# Altium PCB MIXR Input and Processing.PcbDoc (part 2 of 3) (continued)
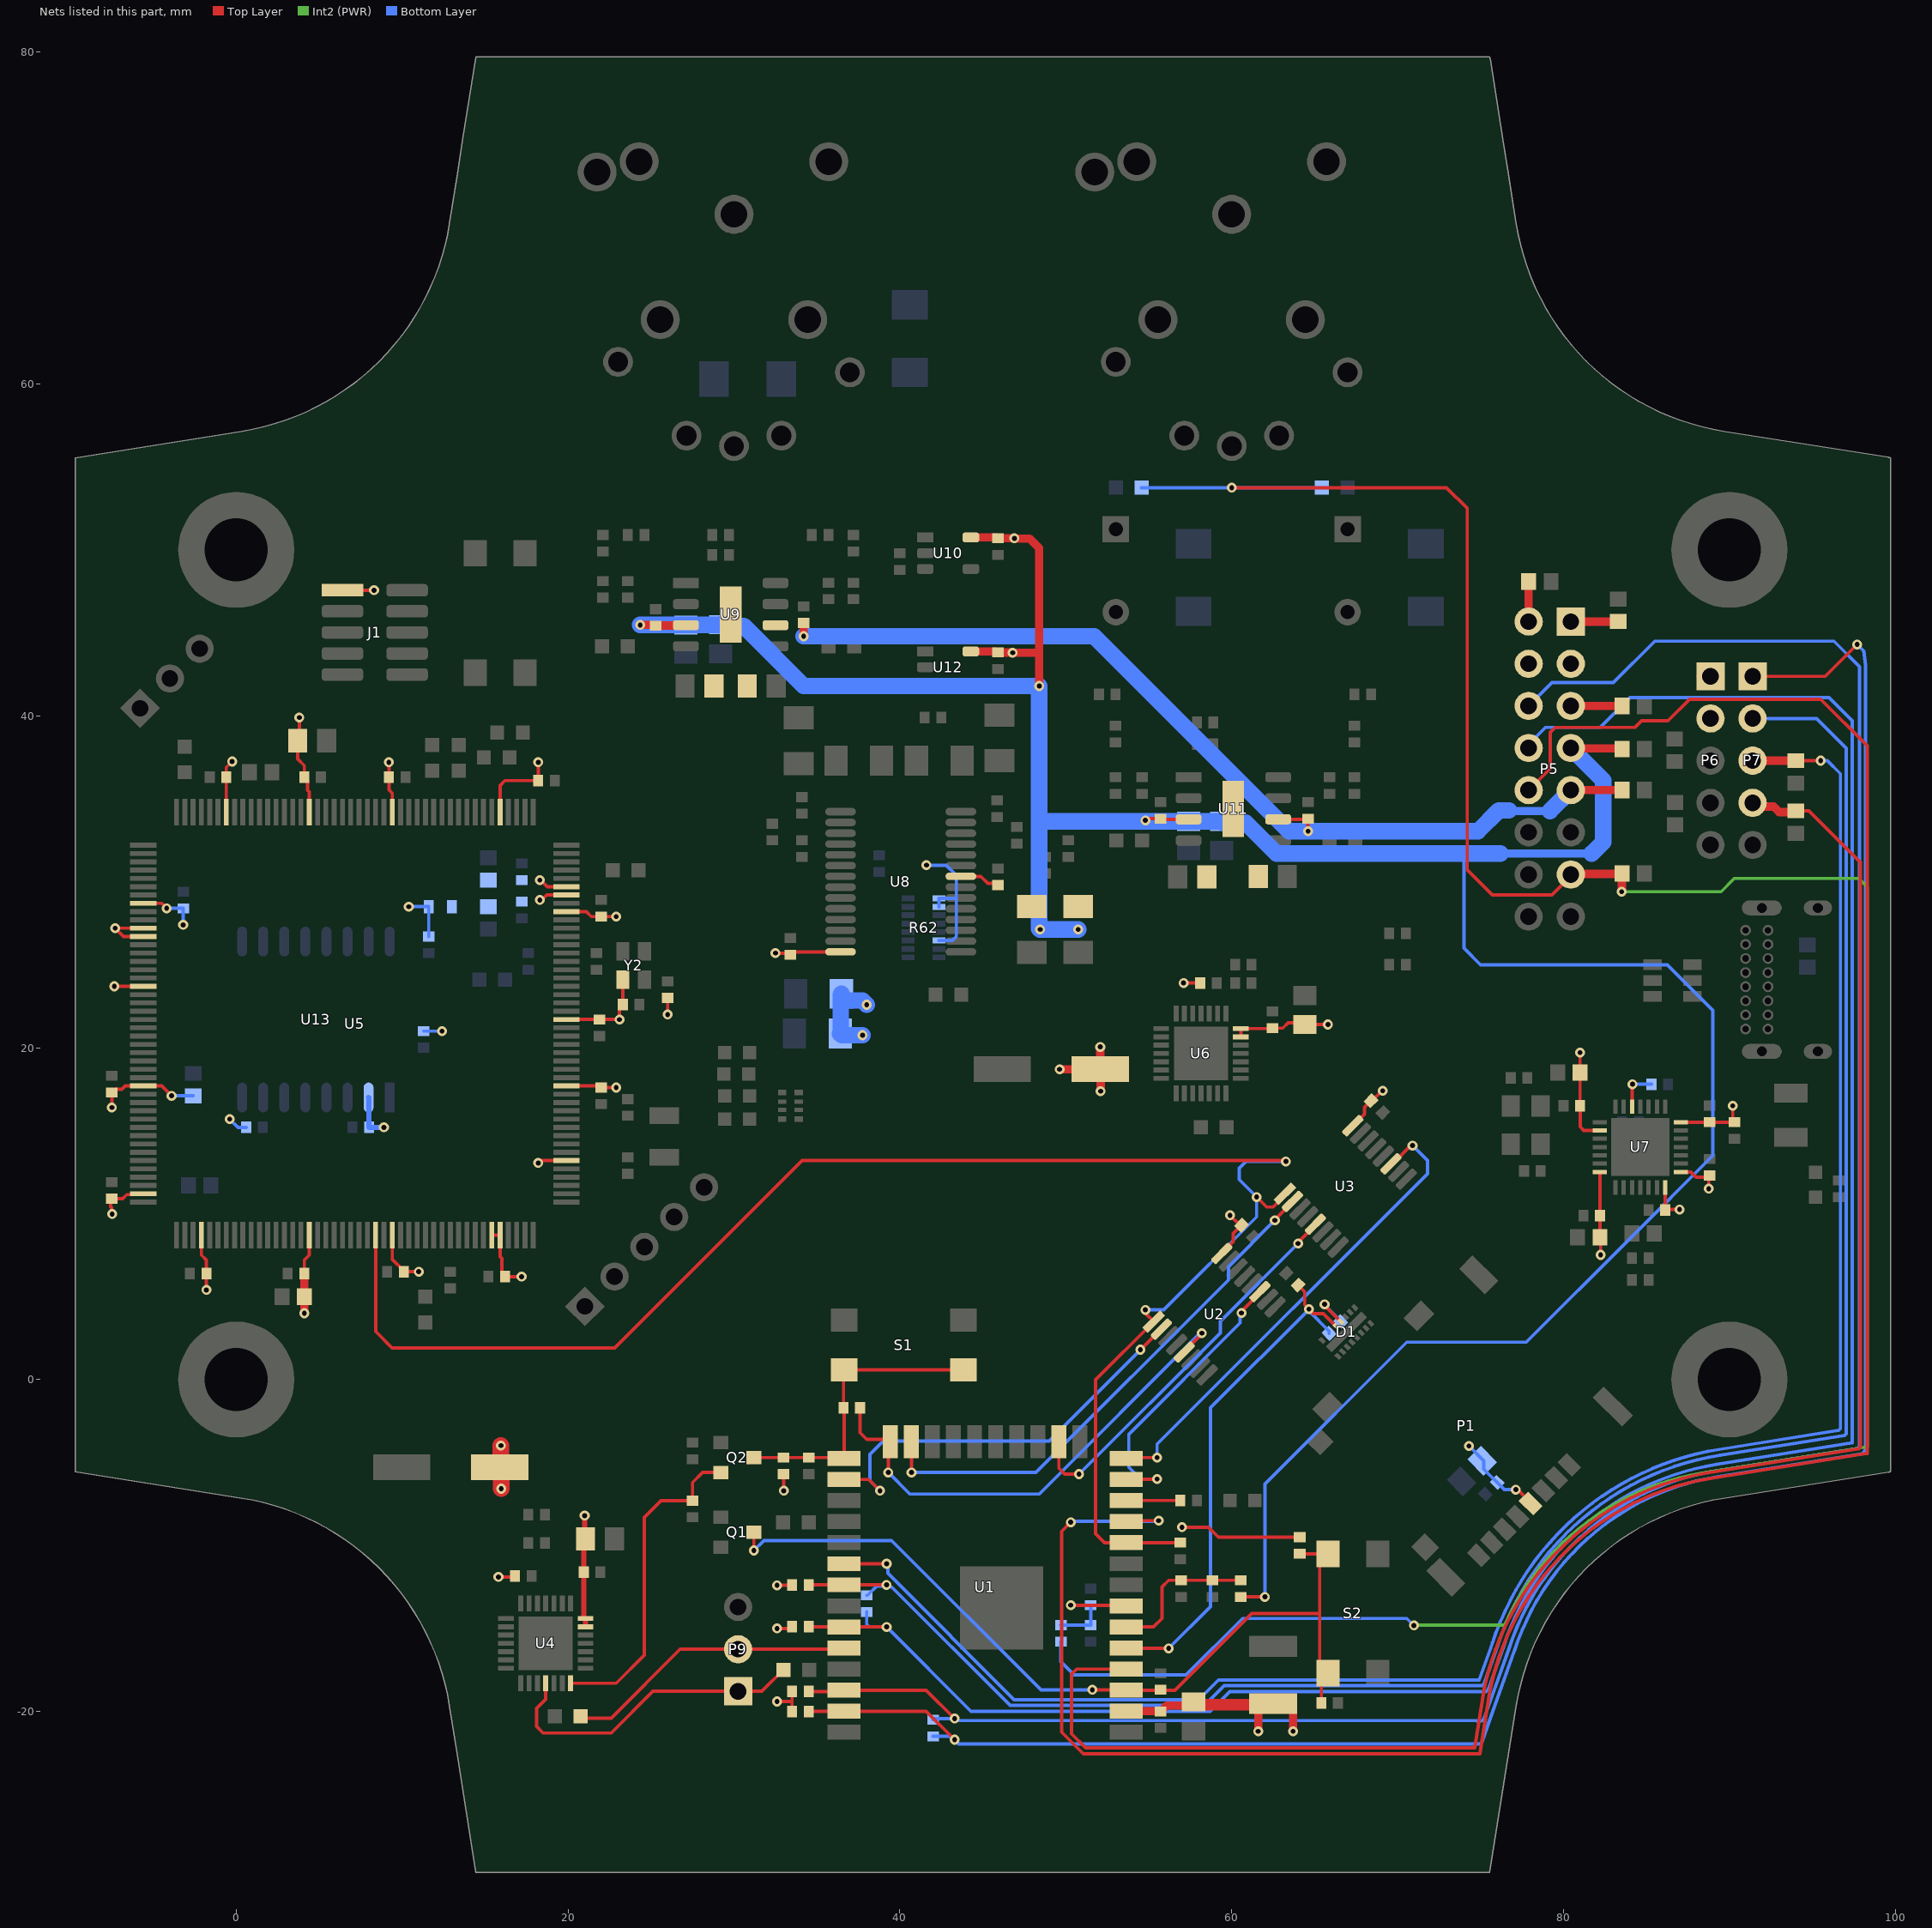
[diagram p4: the nets of this part, all layers, seen from the top]
## Part data (continued)
U4 U6: Manufacturer="Silicon Labs", Manufacturer Part Number=CP2102N-A01-GQFN28R, Supplier Part Number 1=336-4738-1-ND, ComponentLink1Description=https://www.silabs.com/documents/public/data-sheets/cp2102n-datasheet.pdf?src-supplier=Digi-Key, ComponentLink1URL=https://www.silabs.com/documents/public/data-sheets/cp2102n-datasheet.pdf?src-supplier=Digi-Key, Pricing 1="1=1.40000, 25=1.35160, 100=1.29950 (USD)", RoHS=No, Stock 1=2155, Supplier 1=Digi-Key
U5: "ARM® Cortex®-M7 STM32F7 Microcontroller IC 32-Bit 216MHz 2MB (2M x 8) FLASH 176-LQFP (24x24)", Manufacturer=STMicroelectronics, Manufacturer Part Number=STM32F769IIT6, Supplier Part Number 1=497-16649-ND, Category=Microcontrollers, ComponentLink1Description=http://www.st.com/content/ccc/resource/technical/document/errata_sheet/group0/23/a6/11/0b/30/24/46/a5/DM00257543/files/DM00257543.pdf/jcr:content/translations/en.DM00257543.pdf?src-supplier=Digi-Key, ComponentLink1URL=http://www.st.com/content/ccc/resource/technical/document/errata_sheet/group0/23/a6/11/0b/30/24/46/a5/DM00257543/files/DM00257543.pdf/jcr:content/translations/en.DM00257543.pdf?src-supplier=Digi-Key, Pricing 1="1=12.69000, 10=11.66300, 25=11.18000, 100=9.85040, 250=9.36696, 500=8.76264, 1000=8.03746 (USD)", RoHS=No, Stock 1=295, Supplier 1=Digi-Key
U7: "USB Hub Controller USB 2.0 USB Interface 28-QFN (5x5)", Case/Package=QFN, Manufacturer=Cypress, Manufacturer Part Number=CY7C65632-28LTXCT, Max Operating Temperature=70°C, Max Supply Voltage=5.25V, Min Operating Temperature=0°C, Min Supply Voltage=3.15V, Operating Supply Current=97.23mA, Operating Supply Voltage=3.45V, Package Quantity=1, Supplier Part Number 1=428-3156-1-ND, Category="Interface ICs", ComponentLink1Description=https://datasheet.ciiva.com/6636/cy7c65632-34-6636581.pdf?src-supplier=Digi-Key, ComponentLink1URL=https://datasheet.ciiva.com/6636/cy7c65632-34-6636581.pdf?src-supplier=Digi-Key, ComponentLink2Description=https://datasheet.ciiva.com/6636/cy7c65632-34-6636584.pdf?src-supplier=Digi-Key, ComponentLink2URL=https://datasheet.ciiva.com/6636/cy7c65632-34-6636584.pdf?src-supplier=Digi-Key, Data Rate=480Mbps, Interface=I2C,SPI,GPIO, Lead Free="Lead Free", Number of Pins=28, Packaging="Tape and Reel", Pricing 1="1=3.33000, 10=2.99500, 25=2.83160, 100=2.32800, 250=2.08896, 500=2.01344, 1000=1.67367 (USD)", RoHS=Yes, Stock 1=14139, Supplier 1=Digi-Key
U8: library part "IC ADC 24 BIT AUDIO 216KHZ SSOP-28", "ADC, Audio 24 bit 216k DSP, PCM 28-SSOP", Case/Package=SSOP, Manufacturer="Texas Instruments", Manufacturer Part Number=PCM4202DBT, Max Operating Temperature=70°C, Max Power Dissipation=408mW, Max Supply Voltage=5.25V, Min Operating Temperature=-10°C, Min Supply Voltage=4.75V, Nominal Supply Current=55mA, Operating Supply Voltage=5V, Package Quantity=250, Power Consumption=338mW, Supplier Part Number 1=296-17438-1-ND, ComponentLink1Description=https://datasheet.ciiva.com/25988/sbas290b-25988737.pdf?src-supplier=Avnet+Europe, ComponentLink1URL=https://datasheet.ciiva.com/25988/sbas290b-25988737.pdf?src-supplier=Avnet+Europe, ComponentLink2Description=https://datasheet.ciiva.com/41460/001186374-da-01-en-ic-adc-stereo-24b-pcm4202dbt-ssop-28-tid-41460403.pdf?src-supplier=Conrad, ComponentLink2URL=https://datasheet.ciiva.com/41460/001186374-da-01-en-ic-adc-stereo-24b-pcm4202dbt-ssop-28-tid-41460403.pdf?src-supplier=Conrad, ComponentLink3Description=https://datasheet.ciiva.com/26800/pcm4202dbt-26800794.pdf?src-supplier=IIIC, ComponentLink3URL=https://datasheet.ciiva.com/26800/pcm4202dbt-26800794.pdf?src-supplier=IIIC, ComponentLink4Description=https://datasheet.ciiva.com/29896/sbas290b-29896124.pdf?src-supplier=Avnet, ComponentLink4URL=https://datasheet.ciiva.com/29896/sbas290b-29896124.pdf?src-supplier=Avnet, ComponentLink5Description=https://datasheet.ciiva.com/1307/pcm4202-1307121.pdf?src-supplier=Digi-Key, ComponentLink5URL=https://datasheet.ciiva.com/1307/pcm4202-1307121.pdf?src-supplier=Digi-Key, ComponentLink6Description=https://datasheet.ciiva.com/1307/pcm4202-1307122.pdf?src-supplier=Digi-Key, ComponentLink6URL=https://datasheet.ciiva.com/1307/pcm4202-1307122.pdf?src-supplier=Digi-Key, ComponentLink7Description=https://datasheet.ciiva.com/1307/pcm4202-1307123.pdf?src-supplier=Digi-Key, ComponentLink7URL=https://datasheet.ciiva.com/1307/pcm4202-1307123.pdf?src-supplier=Digi-Key, ComponentLink8Description=https://datasheet.ciiva.com/15147/getdatasheetpartid-171631-15147899.pdf?src-supplier=Verical, ComponentLink8URL=https://datasheet.ciiva.com/15147/getdatasheetpartid-171631-15147899.pdf?src-supplier=Verical, Conversion Rate=216KS/s, Height=1.95mm, Interface=Serial, Lead Free="Lead Free", Length=10.2mm, Mount="Surface Mount", Number of A/D Converters=2, Number of ADC Channels=2, Number of Analog Inputs=1, Number of Bits=24, Number of Converters=2, Number of DAC Channels=0, Number of Elements=2, Number of Pins=28, Packaging="Tape and Reel", Polarity=Bipolar, Power Dissipation=408mW, Pricing 1="1 = 9.85000, 10 = 8.89800, 100 = 7.36660 (USD)", Radiation Hardening=No, REACH SVHC="No SVHC", Resolution=24b, RoHS=Yes, Sampling Rate=216KS/s, Stock 1=5943, Supplier 1=Digi-Key, Supply Type=Analog, Weight=0.008529oz, Width=5.3mm
U9 U11: library part "IC OP AMP AUDIO LME49724 8-SOIC", "Audio Amplifier 1 Circuit Differential 8-SO PowerPad", Input Bias Current=60nA, Input Offset Voltage (Vos)=200uV, Manufacturer="TI National Semiconductor", Manufacturer Part Number=LME49724MRX/NOPB, Max Dual Supply Voltage=18V, Max Operating Temperature=85°C, Max Supply Voltage=36V, Min Dual Supply Voltage=2.5V, Min Operating Temperature=-40°C, Min Supply Voltage=5V, Operating Supply Current=10mA, Output Current=80mA, Package Quantity=2500, Power Supply Rejection Ratio (PSRR)=95dB, Supplier Part Number 1=296-37390-1-ND, Voltage Gain=125dB, Common Mode Rejection Ratio=95dB, ComponentLink1Description=https://datasheet.ciiva.com/29638/lme49724-29638149.pdf?src-supplier=Digi-Key, ComponentLink1URL=https://datasheet.ciiva.com/29638/lme49724-29638149.pdf?src-supplier=Digi-Key, ComponentLink2Description=https://datasheet.ciiva.com/29638/lme49724-29638731.pdf?src-supplier=Digi-Key, ComponentLink2URL=https://datasheet.ciiva.com/29638/lme49724-29638731.pdf?src-supplier=Digi-Key, ComponentLink3Description=https://datasheet.ciiva.com/1818/lme49724-1818445.pdf?src-supplier=Digi-Key, ComponentLink3URL=https://datasheet.ciiva.com/1818/lme49724-1818445.pdf?src-supplier=Digi-Key, Contact Plating=Tin, Gain Bandwidth Product=50MHz, Lead Free="Lead Free", Mount="Surface Mount", Number of Channels=1, Number of Circuits=1, Number of Elements=1, Number of Pins=8, Output Current per Channel=80mA, Packaging="Tape and Reel", Pricing 1="1 = 2.67000, 10 = 2.40200, 100 = 1.93060, 500 = 1.58620, 1000 = 1.31428 (USD)", Radiation Hardening=No, RoHS=Yes, Slew Rate=18V/µs, Stock 1=17947, Supplier 1=Digi-Key, Unity Gain Bandwidth Product=50MHz
U10 U12: "General Purpose Amplifier 1 Circuit Rail-to-Rail SOT-23-5", Case/Package=SOT-23-5, Input Bias Current=10pA, Input Offset Voltage (Vos)=25uV, Manufacturer="Texas Instruments", Manufacturer Part Number=OPA376AQDBVRQ1, Max Operating Temperature=125°C, Max Supply Voltage=5.5V, Min Operating Temperature=-40°C, Min Supply Voltage=2.2V, Nominal Supply Current=950uA, Operating Supply Current=760uA, Output Current=30mA, Output Current per Channel=50mA, Package Quantity=3000, Power Supply Rejection Ratio (PSRR)=106.02dB, Supplier Part Number 1=296-36701-1-ND, Voltage Gain=134dB, Common Mode Rejection Ratio=76dB, ComponentLink1Description=http://www.ti.com/lit/ds/sbos549/sbos549.pdf?src-supplier=Avnet, ComponentLink1URL=http://www.ti.com/lit/ds/sbos549/sbos549.pdf?src-supplier=Avnet, Gain Bandwidth Product=5.5MHz, Lead Free="Lead Free", Max I/O Voltage=25uV, Number of Channels=1, Number of Circuits=1, Number of Elements=1, Number of Pins=5, Packaging="Tape and Reel", Pricing 1="1 = 2.14000, 10 = 1.92200, 100 = 1.54450, 500 = 1.26896, 1000 = 1.05142 (USD)", Radiation Hardening=No, RoHS=Yes, Slew Rate=2V/µs, Stock 1=26635, Supplier 1=Digi-Key, Unity Gain Bandwidth Product=5.5MHz
U13: "FLASH - NOR Memory IC 512Mb (64M x 8) SPI 166MHz 16-SOP", Manufacturer=Macronix, Manufacturer Part Number=MX25L51245GMI-08G, Supplier Part Number 1=1092-1245-ND, Pricing 1="1=6.92000, 10=6.36900, 25=6.23640, 50=6.21440, 100=5.57500, 250=5.40592, 500=5.14132, 1000=4.96125 (USD)", RoHS=No, Stock 1=1057, Supplier 1=Digi-Key
Y1: library part "CRYSTAL 12 MHz 12PF SMD", "12MHz ±25ppm Crystal 12pF 100 Ohms 4-SMD, No Lead", Manufacturer="ECS International", Manufacturer Part Number=ECS-120-12-33-AEN-TR, Supplier Part Number 1=XC2915CT-ND, Pricing 1="1=0.56000, 10=0.46800, 50=0.42080, 100=0.37400, 500=0.35530 (USD)", RoHS=No, Stock 1=2000, Supplier 1=Digi-Key
Y2: "XTAL OSC XO 25.0000MHZ CMOS SMD", Case/Package=SMD/SMT, Current Rating=2.2mA, Frequency=25MHz, Frequency Stability=25ppm, Load Capacitance=15pF, Manufacturer=Epson, Manufacturer Part Number=SG-210STF25.0000MS3, Max Operating Temperature=70°C, Max Supply Voltage=3.6V, Min Operating Temperature=-20°C, Min Supply Voltage=1.6V, Package Quantity=250, Supplier Part Number 1=SER3804CT-ND, Category=Oscillators, ComponentLink1Description=https://datasheet.ciiva.com/29629/029-sg-210stf-e147-29629845.pdf?src-supplier=Digi-Key, ComponentLink1URL=https://datasheet.ciiva.com/29629/029-sg-210stf-e147-29629845.pdf?src-supplier=Digi-Key, ComponentLink2Description=https://datasheet.ciiva.com/29629/029-sg-210stf-e147-29629799.pdf?src-supplier=Digi-Key, ComponentLink2URL=https://datasheet.ciiva.com/29629/029-sg-210stf-e147-29629799.pdf?src-supplier=Digi-Key, ComponentLink3Description=https://datasheet.ciiva.com/29629/029-sg-210stf-e147-29629798.pdf?src-supplier=Digi-Key, ComponentLink3URL=https://datasheet.ciiva.com/29629/029-sg-210stf-e147-29629798.pdf?src-supplier=Digi-Key, Height=0.035inch, Lead Free="Lead Free", Length=0.098inch, Max Duty Cycle=55%, Max Supply Current=2.2mA, Mount="Surface Mount", Packaging="Tape and Reel", Pricing 1="1=1.21000, 10=1.15900, 50=1.13200, 100=0.97020 (USD)", RoHS=Yes, Stock 1=1693, Supplier 1=Digi-Key, Termination=SMD/SMT, Width=0.079inch
Y3: "Crystal 32.7680KHZ 6PF SMD", Case/Package=SMD/SMT, ESR (Equivalent Series Resistance)=70kR, Frequency=32.768kHz, Frequency Tolerance=20ppm, Load Capacitance=6pF, Manufacturer=NDK, Manufacturer Part Number=NX3215SA-32.768K-STD-MUA-14, Max Operating Temperature=85°C, Min Operating Temperature=-40°C, Package Quantity=3000, Supplier Part Number 1=644-1171-1-ND, Category=Crystals, ComponentLink1Description=https://datasheet.ciiva.com/6733/c-nx3215sa-std-mua-9-e-6733110.pdf?src-supplier=Digi-Key, ComponentLink1URL=https://datasheet.ciiva.com/6733/c-nx3215sa-std-mua-9-e-6733110.pdf?src-supplier=Digi-Key, ComponentLink2Description=https://datasheet.ciiva.com/6733/c-nx3215sa-std-mua-9-e-6733111.pdf?src-supplier=Digi-Key, ComponentLink2URL=https://datasheet.ciiva.com/6733/c-nx3215sa-std-mua-9-e-6733111.pdf?src-supplier=Digi-Key, ComponentLink3Description=https://datasheet.ciiva.com/6733/c-nx3215sa-std-mua-9-e-6733112.pdf?src-supplier=Digi-Key, ComponentLink3URL=https://datasheet.ciiva.com/6733/c-nx3215sa-std-mua-9-e-6733112.pdf?src-supplier=Digi-Key, Height=0.035inch, Length=0.126inch, Mount="Surface Mount", Number of Pins=2, Packaging="Tape and Reel", Pricing 1="1=0.68000, 10=0.60200, 50=0.56280, 100=0.49740, 500=0.47124, 1000=0.39270 (USD)", RoHS=Yes, Stock 1=61958, Supplier 1=Digi-Key, Width=0.059inch

## Free pads (board coordinates)
  round 7 hole 3.8: 0(0,0) 0(0,50) 0(90,0) 0(90,50)

## Via types
v1: diameter 0.6, hole 0.3, Top Layer to Bottom Layer, tented both sides, 334 vias
v2: diameter 0.6, hole 0.3, Top Layer to Bottom Layer, 40 vias

## Nets (pads, with @x,y where several pads share a name; then routed paths per layer and width w, separated by ;. In a path a pad name is that pad's centre, name@x,y a point inside that pad or via, vN(x,y) a via of type N, cw(c..) or ccw(c..) an arc to the next point about the centre after c; other vN are vias at no path point)
3V3: C1.1 C2.1 C12.1 C13.1 C14.1 C15.1 C69.1 C71.1 C72.1 C73.1 C74.1 C75.1 C76.1 C77.1 C85.1 C88.1 C91.1 C99.1 C100.1 C101.1 C102.1 C103.1 C104.1 C105.1 C106.1 C107.1 C108.1 C109.1 FB1.1 J1.1 P5.1 P5.2 P6.1 R1.2 R2.1 R3.1 R4.1 R5.1 R9.1 R18.1 R29.1 R62.9 R62.10 R62.14 R65.1 R71.1 R73.1 R74.1 U1.2 U4.6 U4.7 U5.6 U5.15 U5.23 U5.36 U5.49 U5.62 U5.72 U5.82 U5.96 U5.99 U5.100 U5.106 U5.118 U5.131 U5.136 U5.149 U5.159 U5.171 U5.172 U6.6 U6.7 U13.2 Y2.4 | length 130.7
  Top Layer w0.2: v1(-7.5,16.4) C107.1@-7.5,17.3 -7.3,17.5 -6.9,17.5 -6.7,17.7 U5.118@-5.6,17.7 -4.5,17.7 v1(-3.9,17.1) ; v1(-7.477,9.977) -7.477,10.177 -7.517,10.217 -7.517,10.367 -7.567,10.417 -7.567,10.833 C104.1@-7.5,10.9 -6.85,10.9 -6.6,11.15 -5.65,11.15 U5.131@-5.6,11.2 ; v1(-7.348,23.7) U5.106@-5.6,23.7 ; U5.100@-5.6,26.7 -6.8,26.7 v1(-7.3,27.2) U5.99@-5.6,27.2 ; U5.96@-5.6,28.7 -4.502,28.7 -4.202,28.4 v1(-4.2,28.4) ; U5.136@-2.1,8.7 -2.1,7.5 -1.8,7.2 C103.1@-1.8,6.4 v1(-1.8,5.4) ; U5.82@-0.6,34.2 C102.1@-0.6,36.3 -0.6,36.9 v1(-0.25,37.25) ; v1(3.8,39.9) 3.8,38.6 C71.1@3.7,38.5 3.7,37.4 4.1,37 C75.1@4.1,36.3 4.3,36.1 4.3,35.525 4.4,35.425 U5.72@4.4,34.2 ; C73.1@4.1,6.4 4.1,7.2 4.4,7.5 U5.149@4.4,8.7 ; J1.1@6.4,47.57 v1(8.305,47.57) ; v1(9.2,37.2) C76.1@9.2,36.3 9.2,35.55 9.4,35.35 U5.62@9.4,34.2 ; U5.159@9.4,8.7 9.4,7.25 10.1,6.55 C100.1@10.1,6.5 v1(11,6.5) ; U5.171@15.4,8.7 U5.172@15.9,8.7 15.9,7.4 16,7.3 16,6.4 C99.1@16.2,6.2 v1(17.2,6.2) ; v1(15.8,-11.9) 16.75,-11.9 R18.1@16.8,-11.85 ; U5.49@15.9,34.2 15.9,35.8 16.2,36.1 C77.1@18.2,36.1 v1(18.2,37.2) ; v1(18.2,13.051) 18.2,13.083 18.317,13.2 U5.6@19.9,13.2 ; U5.15@19.9,17.7 21.9,17.7 C85.1@22,17.6 v1(22.9,17.6) ; U5.23@19.9,21.7 C72.1@21.9,21.7 v1(23.1,21.7) 23.1,22.5 23.3,22.7 Y2.4@23.3,24 ; U5.36@19.9,28.2 21.1,28.2 21.4,27.9 C101.1@22,27.9 v1(22.9,27.9) ; v1(26,22) R71.1@26,23 ; v1(32.6,-19.4) 33.5,-19.4 ; v1(32.6,-15) 33.4,-15 R2.1@33.5,-14.9 ; v1(32.6,-12.4) 33.47,-12.4 R5.1@33.5,-12.37 ; R1.2@32.975,-5.7 33,-5.725 v1(33,-6.7) ; R4.1@33.5,-20 33.5,-19.4 ; R3.1@33.5,-18.8 33.5,-19.4 ; v1(57,-8.9) 58.6,-8.9 59.2,-9.5 R9.1@64.1,-9.5 ; v1(57.1,23.9) R29.1@58.1,23.9 ; U6.6@60.55,20.655 U6.7@60.55,21.155 62.444,21.155 C15.1@62.468,21.179 63.079,21.179 63.4,21.5 64.3,21.5 C14.1@64.4,21.4 v1(65.8,21.4)
  Top Layer w0.3: v1(21,-8.2) 21,-9.55 C12.1@21.05,-9.6 20.95,-9.7 C13.1@20.95,-11.6 20.95,-14.4 U4.7@21.05,-14.4 U4.6@21.05,-14.9
  Top Layer w0.5: v1(4.1,4) C105.1@4.1,5 C73.1@4.1,6.4 ; U1.2@53.635,-19.99 55.69,-19.99 C2.1@55.7,-20 ; C2.1@55.75,-20 55.8,-19.95 55.8,-19.936 56.093,-19.643 57.282,-19.643 57.3,-19.625 57.5,-19.625 C109.1@57.7,-19.425 ; C1.1@61.5,-19.6 C1.1@61.9,-19.6 ; v1(61.6,-21.2) 61.6,-19.9 C1.1@61.9,-19.6 ; C1.1@63.332,-19.718 63.3,-19.75 C1.1@63.4,-19.85 ; v1(63.7,-21.2) 63.7,-19.9 63.325,-19.525 C1.1@62.5,-19.525 61.975,-19.525 C1.1@61.9,-19.6 ; P5.1@80.44,45.68 C88.1@83.3,45.68
  Top Layer w0.7: C109.1@57.875,-19.6 C1.1@61.5,-19.6
  Top Layer w1: v1(15.95,-3.975) 15.95,-5.2 C69.1@15.875,-5.275 15.975,-5.375 v1(15.975,-6.575) ; P6.1@88.51,42.4 88.53,42.38 P6.1@88.86,42.38
  Bottom Layer w0.2: v1(-4.2,28.4) C74.1@-3.2,28.4 v1(-3.2,27.4) ; v1(-3.9,17.1) C106.1@-2.6,17.1 ; v1(-0.4,15.7) 0.1,15.2 R73.1@0.6,15.2 ; v1(10.4,28.5) FB1.1@11.6,28.5 R65.1@11.6,26.7 ; R74.1@11.3,21 v1(12.4,21) ; v1(41.6,31) 42.8,31 43.4,30.4 43.4,29 ; R62.14@42.354,26.46 43.16,26.46 43.4,26.7 43.4,29 ; R62.10@42.354,28.492 R62.9@42.354,29 43.4,29
  Bottom Layer w0.3: U13.2@7.975,17 7.987,16.987 7.987,15.212 C91.1@8,15.2 v1(8.9,15.2)
3V3_SW: C8.1 C9.1 C10.1 C11.1 C16.1 C17.1 C18.1 C19.1 C20.1 C21.1 C22.1 C63.1 C64.1 C65.1 C70.1 C93.1 D1.12 P1.4 P5.15 P5.16 P6.2 R15.2 R34.1 R37.1 U2.16 U3.16 U7.5 U7.9 U7.14 U7.21 U7.22 U7.28 U8.14 | length 54.8
  Top Layer w0.2: v1(32.5,25.7) 33.3,25.7 C63.1@33.4,25.6 33.575,25.775 U8.14@36.425,25.775 ; U2.16@59.402,7.598 59.402,7.602 60.1,8.3 60.1,8.8 C11.1@60.6,9.3 60.5,9.3 v1(59.9,9.9) ; v1(65.6,4.534) 65.6,4.469 D1.12@66.58,3.489 ; U3.16@67.303,15.299 67.303,15.303 68,16 68,16.4 C10.1@68.4,16.8 68.45,16.8 69.05,17.4 v1(69.1,17.4) ; v1(77.129,-6.635) 77.235,-6.635 P1.4@78.411,-7.811 ; v1(81,19.7) C21.1@81,18.5 C16.1@81,16.5 81,15.234 81.224,15.01 U7.9@82.195,15.01 ; U7.14@82.195,12.51 82.2,12.505 C17.1@82.2,9.874 C22.1@82.2,8.574 82.234,8.54 v1(82.234,7.516) ; U7.5@84.13,16.445 84.144,16.459 84.144,17.786 v1(84.157,17.8) ; U7.21@86.13,11.575 C19.1@86.13,10.21 86.17,10.25 v1(87,10.25) ; U7.22@87.065,12.51 87.69,12.51 88,12.2 88.7,12.2 R34.1@88.8,12.3 88.75,12.25 v1(88.75,11.5) ; U7.28@87.065,15.51 C20.1@88.8,15.51 90.2,15.51 R37.1@90.3,15.51 90.2,15.61 v1(90.2,16.5)
  Top Layer w0.5: v1(49.625,18.7) C70.1@52.075,18.7 ; v1(52.075,20.05) C70.1@52.075,18.7 ; v1(52.1,17.375) 52.1,18.675 C70.1@52.075,18.7 ; P5.16@77.9,45.68 C93.1@77.9,48.1
  Bottom Layer w0.2: v1(65.6,4.534) 65.6,4.502 66.58,3.522 R15.2@66.58,3.489 ; v1(74.3,-4) 75.2,-4.9 75.2,-5 75.2,-5.4 76.4,-6.6 76.435,-6.635 v1(77.129,-6.635) ; v1(84.157,17.8) C18.1@85.3,17.8
  Bottom Layer w1: v1(37.75,20.75) 36.5,20.75 C64.1@36.4,20.85 36.438,20.887 36.438,23.213 C65.1@36.475,23.25 36.475,23.05 36.675,22.85 37.74,22.85 v1(38,22.59)
3V3A: C79.1 C80.1 C81.1 C82.1 FB1.2 U5.38 U5.39 | length 3.5
  Top Layer w0.2: v1(18.3,28.9) 18.408,28.9 18.708,29.2 U5.38@19.9,29.2 ; v1(18.3,30.1) 18.349,30.1 18.749,29.7 U5.39@19.9,29.7
48V_SW: C94.1 P5.7 R10.1 R41.1 R42.1 | length 164.2
  Top Layer w0.2: v1(60,53.75) 72.95,53.75 74.2,52.5 74.2,30.7 75.7,29.2 79.3,29.2 P5.7@80.44,30.34
  Top Layer w0.5: P5.7@80.44,30.34 80.57,30.47 83.5,30.47 C94.1@83.515,30.485 ; v1(83.5,29.4) 83.515,29.415 C94.1@83.515,30.485 ; C94.1@83.53,30.5 C94.1@83.515,30.485
  Int2 (PWR) w0.2: v1(70.981,-14.819) 70.981,-14.798 76.443,-14.798 77.083,-13.541 77.085,-13.538 cw(c90.972,-21.341) 88.312,-5.635 ; v1(83.5,29.4) 89.5,29.4 90.3,30.2 97.8,30.2 98.3,29.7 98.3,-1.209 ; 88.313,-5.635 98.131,-4.08 98.3,-4.053 98.3,-1.7 ; 98.3,-1.7 98.3,-1.209 ; 98.3,-1.7 98.3,-1.209
  Bottom Layer w0.2: R10.1@49.7,-15.8 49.7,-17 50.5,-17.8 57.25,-17.8 60.652,-14.398 70.554,-14.398 70.975,-14.819 v1(70.981,-14.819) ; R42.1@54.565,53.75 v1(60,53.75) R41.1@65.435,53.75
+5V: C89.1 P5.3 | length 3.1
  Top Layer w0.5: P5.3@80.44,40.6 C89.1@83.53,40.6
+5V_SW: C37.2 C38.1 C39.1 C40.1 C54.2 C55.1 C56.1 C57.1 C66.1 C67.1 C68.1 C90.1 P5.4 R11.1 U8.22 U9.3 U10.5 U11.3 U12.5 | length 185.9
  Top Layer w0.2: U8.22@43.675,30.325 44.875,30.325 45.3,29.9 45.8,29.9 C66.1@45.9,29.8 ; C37.2@45.85,50.75 C37.2@45.9,50.7 ; v1(54.8,33.7) 54.908,33.7 55.008,33.8 C55.1@55.7,33.8 55.74,33.76 U11.3@57.4,33.76 ; R11.1@60.55,-13.1 v1(62,-13.1)
  Top Layer w0.5: v1@24.327,45.5 v1(24.352,45.475) 25.232,45.475 C38.1@25.282,45.425 25.302,45.445 27.08,45.445 U9.3@27.1,45.465 ; U12.5@44.275,43.88 45.8,43.88 45.85,43.83 C54.2@45.9,43.83 45.915,43.815 46.785,43.815 v1(46.8,43.8) 48.4,43.8 ; U10.5@44.275,50.75 C37.2@45.85,50.75 ; C37.2@45.9,50.7 v1(46.9,50.7) 46.919,50.681 47.819,50.681 48.4,50.1 48.4,43.8 ; v1(48.4,41.8) 48.4,43.8 ; P5.4@80.44,38.06 80.47,38.03 83.5,38.03 C90.1@83.53,38
  Bottom Layer w0.2: v1(62,-13.1) 62,-6.3 70.55,2.25 77.75,2.25 84,8.5 89,13.5 89,22.25 86.25,25 75,25 74,26 74,31.7
  Bottom Layer w0.5: 76.2,31.7 81.7,31.7
  Bottom Layer w1: v1(24.352,45.475) 29.165,45.475 29.19,45.5 C40.1@29.2,45.49 29.275,45.415 30.585,45.415 34.2,41.8 v1(48.4,41.8) 48.4,27.175 v1(48.45,27.125) v1(50.75,27.125) ; 48.986,33.635 54.8,33.635 C56.1@57.4,33.635 C57.1@59.4,33.635 59.475,33.56 60.84,33.56 62.7,31.7 74,31.7 76.2,31.7 ; P5.4@80.44,38.06 82.4,36.1 82.4,32.4 81.7,31.7
-5V_SW: C43.2 C44.2 C45.2 C60.2 C61.2 C62.2 C92.1 P5.5 U9.6 U9.9 U11.6 U11.9 | length 58.9
  Top Layer w0.2: U11.6@62.8,33.76 64.56,33.76 C62.2@64.6,33.8 v1(64.6,33.042)
  Top Layer w0.5: C44.2@28.793,41.8 C44.2@28.881,41.713 ; C43.2@30.8,41.8 C43.2@30.881,41.719 ; v1(34.2,44.8) C45.2@34.2,45.6 ; P5.5@80.44,35.52 C92.1@83.53,35.52
  Bottom Layer w0.5: 76.7,34.3 76.732,34.268 79.188,34.268
  Bottom Layer w1: v1(34.2,44.8) 51.7,44.8 63.458,33.042 v1(64.6,33.042) 74.842,33.042 76.1,34.3 76.7,34.3 ; 79.188,34.268 P5.5@80.44,35.52
DTR: Q2.2 R19.1 U4.28 | length 19.8
  Top Layer w0.2: U4.28@20.15,-18.3 22.9,-18.3 24.6,-16.6 24.6,-8.3 25.6,-7.3 R19.1@27.5,-7.3 27.5,-6.2 28.1,-5.6 Q2.2@29.2,-5.6
ESP32_EN: C4.1 C5.1 Q1.3 R9.2 S2.1 U1.3 | length 51.8
  Top Layer w0.2: v1(31.2,-10.3) Q1.3@31.2,-9.2 ; v1(51.6,-18.7) 53.615,-18.7 U1.3@53.635,-18.72 56.58,-18.72 61.2,-14.1 65.3,-14.1 ; R9.2@64.1,-10.5 S2.1@65.3,-10.5 ; C5.1@65.403,-19.5 65.403,-17.803 65.3,-17.7 65.3,-14.1 ; S2.1@65.8,-10.5 S2.1@65.3,-10.5 ; 65.3,-14.1 S2.1@65.3,-10.5
  Bottom Layer w0.2: v1(31.2,-10.3) 31.8,-9.7 39.5,-9.7 48.5,-18.7 v1(51.6,-18.7)
ESP32_GPIO0: C3.1 Q2.3 R1.1 R12.1 S1.1 U1.25 | length 18.6
  Top Layer w0.2: Q2.3@30.85,-5 31.15,-4.7 Q2.3@31.2,-4.7 Q2.3@31.3,-4.7 ; Q2.3@31.2,-4.6 31.25,-4.65 Q2.3@31.3,-4.7 ; S1.1@43.835,0.579 S1.1@36.635,0.579 36.6,0.544 R12.1@36.6,-1.7 36.635,-1.735 U1.25@36.635,-4.75 36.585,-4.7 C3.1@34.5,-4.7 R1.1@32.975,-4.7 Q2.3@31.3,-4.7
ESP32_IO18_INTERFACE_I2C_PE_INT: C95.1 P7.3 U1.30 | length 116.4
  Top Layer w0.2: U1.30@36.635,-11.1 v1(39.2,-11.1) ; C95.1@94,37.3 v1(95.5,37.3)
  Top Layer w0.5: P7.3@91.4,37.3 C95.1@94,37.3
  Bottom Layer w0.2: v1(39.2,-11.1) 39.277,-11.177 39.277,-11.677 46.89,-19.29 58.01,-19.29 59.2,-18.1 74.918,-18.1 75.715,-15.867 cw(c92.087,-21.219) 89.383,-4.208 96.586,-3.067 96.69,-2.963 96.69,-0.95 ; P7.3@91.4,37.3 P7.3@91.5,37.2 ; v1(95.5,37.3) 95.9,37.3 96.69,36.51 96.69,-0.949
ESP32_IO19_I2C2_SDA: P7.2 R5.2 R63.2 U1.31 | length 122.2
  Top Layer w0.2: R5.2@34.5,-12.37 U1.31@36.635,-12.37 36.641,-12.376 v1(39.194,-12.376)
  Bottom Layer w0.2: R63.2@38,-13 38.05,-13 38.603,-12.447 39.123,-12.447 39.2,-12.37 39.308,-12.37 39.447,-12.509 39.509,-12.509 46.643,-19.643 58.357,-19.643 59.548,-18.452 75.109,-18.452 75.199,-18.362 75.214,-18.32 76.049,-15.981 76.049,-15.978 cw(c92.087,-21.219) 89.44,-4.556 96.938,-3.368 97.043,-3.264 97.043,-0.929 97.042,38.058 95.26,39.84 P7.2@91.4,39.84
ESP32_IO21_I2C1_SDA: P5.13 R2.2 R63.1 U1.33 | length 139.4
  Top Layer w0.2: R2.2@34.5,-14.9 36.625,-14.9 U1.33@36.635,-14.91 v1(39.2,-14.91)
  Bottom Layer w0.2: R63.1@38,-14 38,-14.75 38.167,-14.917 39.193,-14.917 v1(39.2,-14.91) 44.285,-19.995 58.705,-19.995 59.895,-18.805 75.323,-18.805 75.466,-18.662 75.481,-18.62 76.382,-16.096 ; 76.382,-16.095 cw(c91.801,-21.126) 89.263,-5.107 97.395,-3.819 97.395,-0.907 ; P5.13@77.9,38.06 77.9,38.3 78.9,39.3 82.2,39.3 84,41.1 96,41.1 97.395,39.705 97.395,24.3 ; 97.395,-0.907 97.395,24.299
ESP32_IO22_I2C1_SCL: P5.14 R3.2 R64.1 U1.36 | length 142.7
  Top Layer w0.2: R3.2@34.5,-18.8 37.02,-18.8 37.1,-18.72 41.59,-18.72 v1(43.3,-20.43)
  Bottom Layer w0.2: R64.1@42,-20.5 42.07,-20.43 v1(43.3,-20.43) 43.422,-20.552 74.754,-20.552 ccw(c74.879,-20.396) 74.898,-20.595 ccw(c74.8,-19.6) 75.075,-20.561 ccw(c75.019,-20.369) 75.208,-20.436 75.591,-19.361 76.716,-16.209 cw(c91.765,-21.114) 89.287,-5.481 97.743,-4.141 97.848,-4.037 97.848,42.952 97.789,43.011 96.3,44.5 85.5,44.5 83,42 79.3,42 P5.14@77.9,40.6
ESP32_IO23_I2C2_SCL: P7.1 R4.2 R64.2 U1.37 | length 130.6
  Top Layer w0.2: R4.2@34.5,-20 36.625,-20 U1.37@36.635,-19.99 41.59,-19.99 v1(43.3,-21.7) ; P7.1@91.4,42.38 95.78,42.38 v1(97.7,44.3)
  Bottom Layer w0.2: R64.2@42,-21.5 42.992,-21.5 43.27,-21.779 43.379,-21.779 43.457,-21.857 43.516,-21.916 43.552,-21.952 74.959,-21.952 75.086,-21.826 77.048,-16.325 77.049,-16.322 77.05,-16.319 cw(c91.743,-21.107) 89.322,-5.845 97.953,-4.478 98.016,-4.468 98.1,-4.384 98.121,-4.361 98.2,-4.183 98.2,43.098 98.1,43.9 98.041,43.959 v1(97.7,44.3)
ESP32_IO25_DSP_SD_CARD_ACCESS_EN: R17.2 U1.10 U2.1 U3.1 U5.157 | length 104
  Top Layer w0.2: U5.157@8.4,8.7 8.4,2.9 9.4,1.9 22.8,1.9 34.1,13.2 63.214,13.2 v1(63.266,13.148) ; v1(54.8,4.2) 54.877,4.123 54.877,3.921 U2.1@55.301,3.497 51.8,-0.004 51.8,-9.3 52.33,-9.83 U1.10@53.635,-9.83 R17.2@56.9,-9.83 ; v1(61.5,11) 62.1,10.4 62.5,10.4 63.202,11.102 U3.1@63.202,11.198
  Bottom Layer w0.2: v1(54.8,4.2) 55.9,4.2 61.5,9.8 v1(61.5,11) 60.448,12.052 60.448,12.729 60.866,13.148 v1(63.266,13.148)
ESP32_IO26_POWER_I2C_PE_INT: P5.12 U1.11 | length 146.8
  Top Layer w0.2: v1(50.3,-8.6) 49.748,-9.152 49.748,-21.249 51.053,-22.555 74.952,-22.555 75.549,-18.812 75.55,-18.808 cw(c91.502,-22.002) 88.862,-5.949 ; U1.11@53.635,-8.56 53.695,-8.5 v1(55.6,-8.5) ; P5.12@77.9,35.52 79.2,36.82 79.2,39 79.5,39.3 84.3,39.3 84.7,39.7 86.3,39.7 87.6,41 95.5,41 98.3,38.2 98.3,-4.454 98.231,-4.465 88.863,-5.949
  Bottom Layer w0.2: v1(50.3,-8.6) 50.35,-8.55 55.55,-8.55 v1(55.6,-8.5)
ESP32_IO27_DEBUG_LED: R6.1 U1.12 | length 3.3
  Top Layer w0.2: U1.12@53.635,-7.29 R6.1@56.9,-7.29
ESP32_IO34_5V_MONITOR: C7.1 R11.2 R14.1 U1.6 | length 9.2
  Top Layer w0.2: U1.6@53.635,-14.91 55.29,-14.91 55.8,-14.4 55.8,-12.5 56.2,-12.1 C7.1@56.95,-12.1 R14.1@58.85,-12.1 R11.2@60.55,-12.1
ESP32_IO35_48V_MONITOR: C6.1 R10.2 R13.1 U1.7 | length 7.6
  Top Layer w0.2: v1(50.3,-13.6) 53.595,-13.6 U1.7@53.635,-13.64
  Bottom Layer w0.2: R10.2@49.7,-14.8 R13.1@51.5,-14.8 C6.1@51.5,-13.6 v1(50.3,-13.6)
ESP32_IO36_POWER_BUTTON: C96.1 P7.4 U1.4 | length 107.8
  Top Layer w0.2: U1.4@53.635,-17.45 50.65,-17.45 50.352,-17.748 50.352,-21.356 51.199,-22.202 74.651,-22.202 75.22,-18.64 75.307,-18.263 cw(c91.502,-22.002) 88.518,-5.651 88.519,-5.651 88.695,-5.618 97.795,-4.177 97.9,-4.073 97.9,31.175 94.8,34.275 C96.1@94,34.275
  Top Layer w0.5: P7.4@91.4,34.76 91.63,34.53 92.67,34.53 93,34.2 93.925,34.2 C96.1@94,34.275
ESP32_IO39_nSD_CARD_DETECTED: D1.13 R15.1 R16.2 U1.5 | length 32.2
  Top Layer w0.2: U1.5@53.635,-16.18 53.655,-16.2 v1(56.2,-16.2) ; R16.2@64.036,5.665 64.4,5.3 64.4,4.5 v1(64.66,4.24) 64.92,3.98 65.523,3.98 D1.13@66.297,3.206
  Bottom Layer w0.2: v1(56.2,-16.2) 58.717,-13.683 58.717,-1.7 58.72,-1.7 v1(64.66,4.24) 64.66,4.132 65.873,2.919 R15.1@65.873,2.782
ESP32_PROG_UART0_RX: P9.2 R20.2 U1.34 | length 17.7
  Top Layer w0.2: R20.2@20.75,-20.3 20.85,-20.4 22.6,-20.4 26.75,-16.25 36.565,-16.25 U1.34@36.635,-16.18
ESP32_PROG_UART0_TX: P9.1 R7.1 U4.25 | length 19.4
  Top Layer w0.2: U4.25@18.65,-18.3 18.65,-19.263 18.1,-19.812 18.1,-20.9 18.5,-21.3 22.6,-21.3 25.11,-18.79 P9.1@30.25,-18.79 31.685,-18.79 R7.1@32.975,-17.5
ESP32_SD_D1: U1.26 U2.2 | length 25.6
  Top Layer w0.2: U1.26@36.635,-6.02 38.12,-6.02 v1(38.8,-6.7) ; v1(54.5,1.8) 54.512,1.8 55.749,3.037 U2.2@55.76,3.037
  Bottom Layer w0.2: v1(38.8,-6.7) 38.2,-6.1 38.2,-4.5 39,-3.7 49,-3.7 v1(54.5,1.8)
ESP32_SD_D2: U1.14 U3.11 | length 29.6
  Top Layer w0.2: U1.14@53.635,-4.75 53.685,-4.7 v1(55.5,-4.7) ; U3.11@69.601,13.001 69.701,13.001 70.8,14.1 v1(70.9,14.1)
  Bottom Layer w0.2: v1(55.5,-4.7) 55.5,-3.9 71.8,12.4 71.8,13.2 v1(70.9,14.1)
ESP32_SD_D3: U1.16 U3.5 | length 23.9
  Top Layer w0.2: U1.16@49.58,-3.75 49.58,-5.341 49.939,-5.7 v1(50.8,-5.7) ; v1(64,8.2) 64,8.26 65.04,9.3 U3.5@65.04,9.36
  Bottom Layer w0.2: v1(50.8,-5.7) 59.314,2.814 59.314,3.514 v1(64,8.2)
ESP32_SD_MISO_D0: R12.2 U1.24 U2.5 | length 30.5
  Top Layer w0.2: R12.2@37.6,-1.7 37.6,-3.2 38,-3.6 39.27,-3.6 U1.24@39.42,-3.75 39.3,-3.87 v1(39.3,-5.6) ; U2.5@57.139,1.658 57.139,1.699 58.2,2.76 v1(58.2,2.8)
  Bottom Layer w0.2: v1(39.3,-5.6) 40.6,-6.9 48.4,-6.9 58.1,2.8 v1(58.2,2.8)
ESP32_SD_MOSI_CMD: U1.23 U3.2 | length 32.1
  Top Layer w0.2: U1.23@40.69,-3.75 40.7,-3.76 v1(40.7,-5.6) ; v1(62.6,9.6) 62.6,9.638 63.662,10.7 U3.2@63.662,10.738
  Bottom Layer w0.2: v1(40.7,-5.6) 48.2,-5.6 59.8,6 59.8,6.8 v1(62.6,9.6)
ESP32_SD_SCK_CLK: U1.13 U2.11 | length 17.7
  Top Layer w0.2: U1.13@53.635,-6.02 53.655,-6 v1(55.5,-6) ; v1(60.591,4.009) 60.591,4.1 61.7,5.209 U2.11@61.7,5.3
  Bottom Layer w0.2: v1(55.5,-6) 54.5,-6 53.8,-5.3 53.8,-3.298 60.514,3.416 60.514,3.933 v1(60.591,4.009)